# KiCad board rabbit_mask_capacitors_right.kicad_pcb (continued)
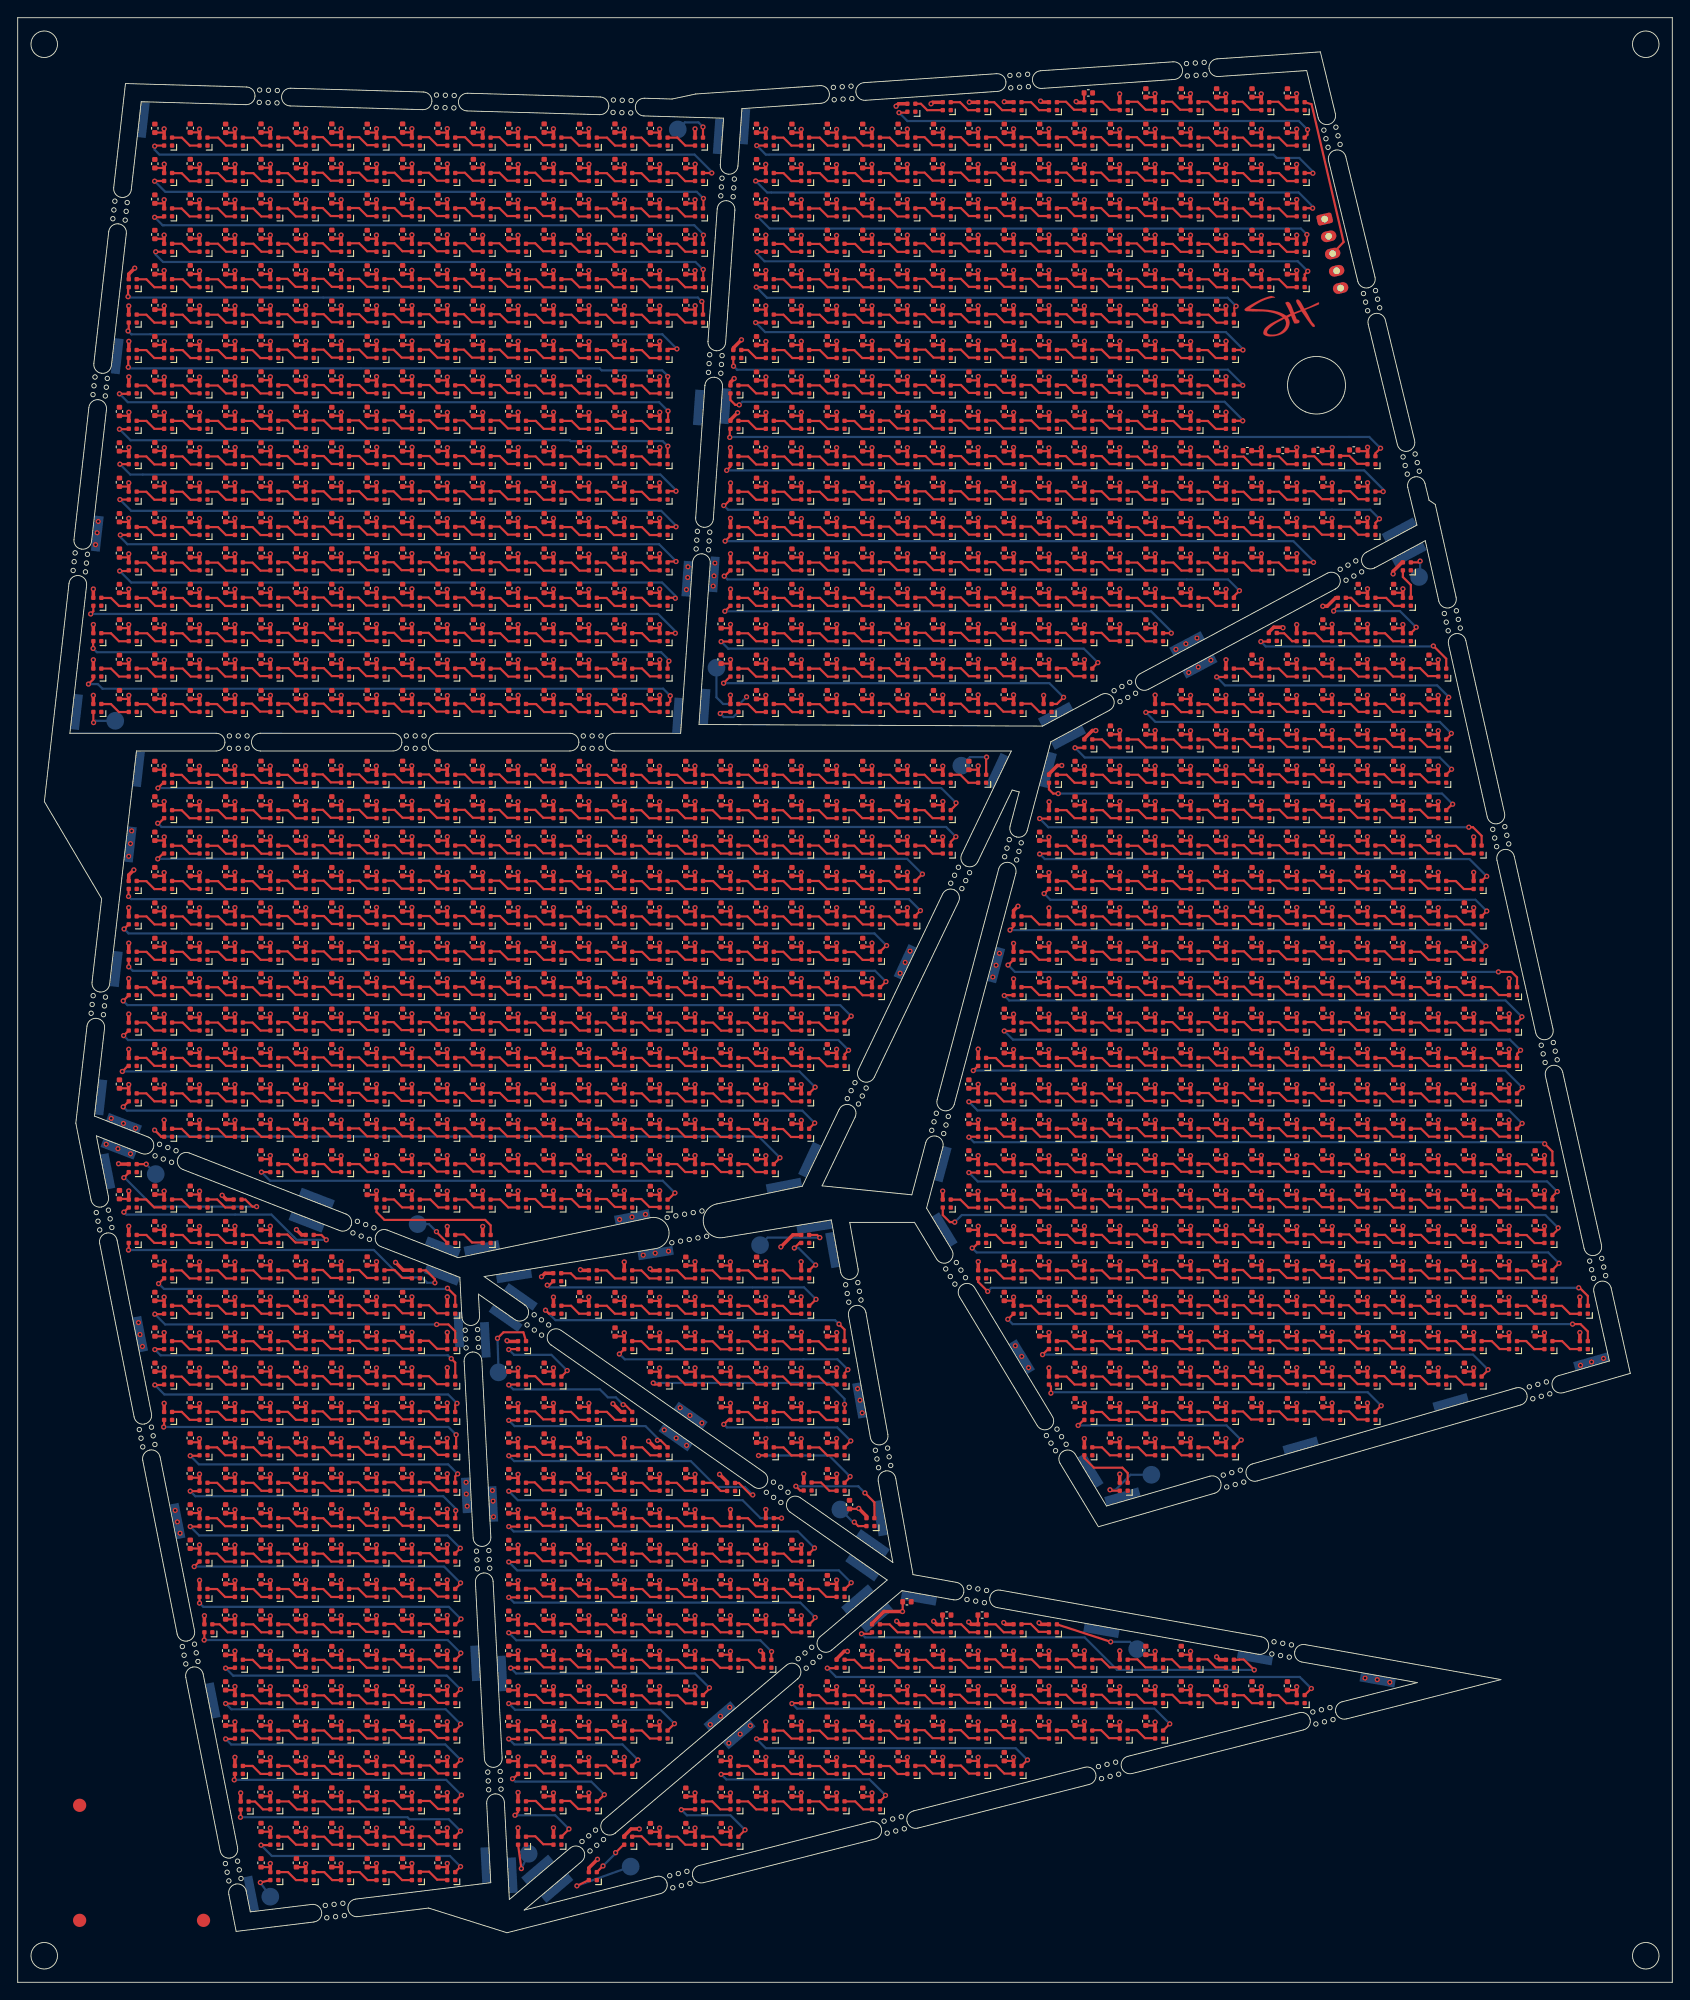
[diagram p0: board, top side]
## Nets (continued)
/right_side/9_IN: D1496.1 J1486.3
/right_side/9_OUT: D1625.3 TP1486.1
/right_side/10_IN: D1512.1 TP1493.1
/right_side/10_OUT: D2031.3 TP1485.1
/right_side/11_IN: D1925.1 TP1494.1
/right_side/11_OUT: D2759.3 TP1492.1
/right_side/12_IN: D2101.1 TP1495.1
/right_side/12_OUT: D2545.3 TP1487.1
/right_side/13_IN: D2547.1 TP1496.1
/right_side/13_OUT: D2776.3 TP1491.1
/right_side/14_IN: D2834.1 TP1499.1
/right_side/14_OUT: D2968.3 TP1490.1
/right_side/15_IN: D2641.1 TP1498.1
/right_side/15_OUT: D2956.3 TP1489.1
/right_side/16_IN: D2475.1 TP1497.1
/right_side/16_OUT: D2962.3 TP1488.1
Net-(D1485-DIN): D1485.1 D1486.3
Net-(D1485-DOUT): D1485.3 D1528.1
Net-(D1486-DIN): D1486.1 D1487.3
Net-(D1487-DIN): D1487.1 D1488.3
Net-(D1488-DIN): D1488.1 D1489.3
Net-(D1489-DIN): D1489.1 D1490.3
Net-(D1490-DIN): D1490.1 D1491.3
Net-(D1491-DIN): D1491.1 D1492.3
Net-(D1492-DIN): D1492.1 D1493.3
Net-(D1493-DIN): D1493.1 D1494.3
Net-(D1494-DIN): D1494.1 D1495.3
Net-(D1495-DIN): D1495.1 D1496.3
Net-(D1497-DIN): D1497.1 D1498.3
Net-(D1497-DOUT): D1497.3 D1544.1
Net-(D1498-DIN): D1498.1 D1499.3
Net-(D1499-DIN): D1499.1 D1500.3
Net-(D1500-DIN): D1500.1 D1501.3
Net-(D1501-DIN): D1501.1 D1502.3
Net-(D1502-DIN): D1502.1 D1503.3
Net-(D1503-DIN): D1503.1 D1504.3
Net-(D1504-DIN): D1504.1 D1505.3
Net-(D1505-DIN): D1505.1 D1506.3
Net-(D1506-DIN): D1506.1 D1507.3
Net-(D1507-DIN): D1507.1 D1508.3
Net-(D1508-DIN): D1508.1 D1509.3
Net-(D1509-DIN): D1509.1 D1510.3
Net-(D1510-DIN): D1510.1 D1511.3
Net-(D1511-DIN): D1511.1 D1512.3
Net-(D1513-DIN): D1513.1 D1514.3
Net-(D1513-DOUT): D1513.3 D1560.1
Net-(D1514-DIN): D1514.1 D1515.3
Net-(D1515-DIN): D1515.1 D1516.3
Net-(D1516-DIN): D1516.1 D1517.3
Net-(D1517-DIN): D1517.1 D1518.3
Net-(D1518-DIN): D1518.1 D1519.3
Net-(D1519-DIN): D1519.1 D1520.3
Net-(D1520-DIN): D1520.1 D1521.3
Net-(D1521-DIN): D1521.1 D1522.3
Net-(D1522-DIN): D1522.1 D1523.3
Net-(D1523-DIN): D1523.1 D1524.3
Net-(D1524-DIN): D1524.1 D1525.3
Net-(D1525-DIN): D1525.1 D1526.3
Net-(D1526-DIN): D1526.1 D1527.3
Net-(D1527-DIN): D1527.1 D1528.3
Net-(D1529-DIN): D1529.1 D1530.3
Net-(D1529-DOUT): D1529.3 D1576.1
Net-(D1530-DIN): D1530.1 D1531.3
Net-(D1531-DIN): D1531.1 D1532.3
Net-(D1532-DIN): D1532.1 D1533.3
Net-(D1533-DIN): D1533.1 D1534.3
Net-(D1534-DIN): D1534.1 D1535.3
Net-(D1535-DIN): D1535.1 D1536.3
Net-(D1536-DIN): D1536.1 D1537.3
Net-(D1537-DIN): D1537.1 D1538.3
Net-(D1538-DIN): D1538.1 D1539.3
Net-(D1539-DIN): D1539.1 D1540.3
Net-(D1540-DIN): D1540.1 D1541.3
Net-(D1541-DIN): D1541.1 D1542.3
Net-(D1542-DIN): D1542.1 D1543.3
Net-(D1543-DIN): D1543.1 D1544.3
Net-(D1545-DIN): D1545.1 D1546.3
Net-(D1545-DOUT): D1545.3 D1592.1
Net-(D1546-DIN): D1546.1 D1547.3
Net-(D1547-DIN): D1547.1 D1548.3
Net-(D1548-DIN): D1548.1 D1549.3
Net-(D1549-DIN): D1549.1 D1550.3
Net-(D1550-DIN): D1550.1 D1551.3
Net-(D1551-DIN): D1551.1 D1552.3
Net-(D1552-DIN): D1552.1 D1553.3
Net-(D1553-DIN): D1553.1 D1554.3
Net-(D1554-DIN): D1554.1 D1555.3
Net-(D1555-DIN): D1555.1 D1556.3
Net-(D1556-DIN): D1556.1 D1557.3
Net-(D1557-DIN): D1557.1 D1558.3
Net-(D1558-DIN): D1558.1 D1559.3
Net-(D1559-DIN): D1559.1 D1560.3
Net-(D1561-DIN): D1561.1 D1562.3
Net-(D1561-DOUT): D1561.3 D1608.1
Net-(D1562-DIN): D1562.1 D1563.3
Net-(D1563-DIN): D1563.1 D1564.3
Net-(D1564-DIN): D1564.1 D1565.3
Net-(D1565-DIN): D1565.1 D1566.3
Net-(D1566-DIN): D1566.1 D1567.3
Net-(D1567-DIN): D1567.1 D1568.3
Net-(D1568-DIN): D1568.1 D1569.3
Net-(D1569-DIN): D1569.1 D1570.3
Net-(D1570-DIN): D1570.1 D1571.3
Net-(D1571-DIN): D1571.1 D1572.3
Net-(D1572-DIN): D1572.1 D1573.3
Net-(D1573-DIN): D1573.1 D1574.3
Net-(D1574-DIN): D1574.1 D1575.3
Net-(D1575-DIN): D1575.1 D1576.3
Net-(D1577-DIN): D1577.1 D1578.3
Net-(D1577-DOUT): D1577.3 D1624.1
Net-(D1578-DIN): D1578.1 D1579.3
Net-(D1579-DIN): D1579.1 D1580.3
Net-(D1580-DIN): D1580.1 D1581.3
Net-(D1581-DIN): D1581.1 D1582.3
Net-(D1582-DIN): D1582.1 D1583.3
Net-(D1583-DIN): D1583.1 D1584.3
Net-(D1584-DIN): D1584.1 D1585.3
Net-(D1585-DIN): D1585.1 D1586.3
Net-(D1586-DIN): D1586.1 D1587.3
Net-(D1587-DIN): D1587.1 D1588.3
Net-(D1588-DIN): D1588.1 D1589.3
Net-(D1589-DIN): D1589.1 D1590.3
Net-(D1590-DIN): D1590.1 D1591.3
Net-(D1591-DIN): D1591.1 D1592.3
Net-(D1593-DIN): D1593.1 D1594.3
Net-(D1593-DOUT): D1593.3 D1642.1
Net-(D1594-DIN): D1594.1 D1595.3
Net-(D1595-DIN): D1595.1 D1596.3
Net-(D1596-DIN): D1596.1 D1597.3
Net-(D1597-DIN): D1597.1 D1598.3
Net-(D1598-DIN): D1598.1 D1599.3
Net-(D1599-DIN): D1599.1 D1600.3
Net-(D1600-DIN): D1600.1 D1601.3
Net-(D1601-DIN): D1601.1 D1602.3
Net-(D1602-DIN): D1602.1 D1603.3
Net-(D1603-DIN): D1603.1 D1604.3
Net-(D1604-DIN): D1604.1 D1605.3
Net-(D1605-DIN): D1605.1 D1606.3
Net-(D1606-DIN): D1606.1 D1607.3
Net-(D1607-DIN): D1607.1 D1608.3
Net-(D1609-DIN): D1609.1 D1610.3
Net-(D1609-DOUT): D1609.3 D1658.1
Net-(D1610-DIN): D1610.1 D1611.3
Net-(D1611-DIN): D1611.1 D1612.3
Net-(D1612-DIN): D1612.1 D1613.3
Net-(D1613-DIN): D1613.1 D1614.3
Net-(D1614-DIN): D1614.1 D1615.3
Net-(D1615-DIN): D1615.1 D1616.3
Net-(D1616-DIN): D1616.1 D1617.3
Net-(D1617-DIN): D1617.1 D1618.3
Net-(D1618-DIN): D1618.1 D1619.3
Net-(D1619-DIN): D1619.1 D1620.3
Net-(D1620-DIN): D1620.1 D1621.3
Net-(D1621-DIN): D1621.1 D1622.3
Net-(D1622-DIN): D1622.1 D1623.3
Net-(D1623-DIN): D1623.1 D1624.3
Net-(D1625-DIN): D1625.1 D2048.3
Net-(D1626-DIN): D1626.1 D1627.3
Net-(D1626-DOUT): D1626.3 D1676.1
Net-(D1627-DIN): D1627.1 D1628.3
Net-(D1628-DIN): D1628.1 D1629.3
Net-(D1629-DIN): D1629.1 D1630.3
Net-(D1630-DIN): D1630.1 D1631.3
Net-(D1631-DIN): D1631.1 D1632.3
Net-(D1632-DIN): D1632.1 D1633.3
Net-(D1633-DIN): D1633.1 D1634.3
Net-(D1634-DIN): D1634.1 D1635.3
Net-(D1635-DIN): D1635.1 D1636.3
Net-(D1636-DIN): D1636.1 D1637.3
Net-(D1637-DIN): D1637.1 D1638.3
Net-(D1638-DIN): D1638.1 D1639.3
Net-(D1639-DIN): D1639.1 D1640.3
Net-(D1640-DIN): D1640.1 D1641.3
Net-(D1641-DIN): D1641.1 D1642.3
Net-(D1643-DIN): D1643.1 D1644.3
Net-(D1643-DOUT): D1643.3 D1690.1
Net-(D1644-DIN): D1644.1 D1645.3
Net-(D1645-DIN): D1645.1 D1646.3
Net-(D1646-DIN): D1646.1 D1647.3
Net-(D1647-DIN): D1647.1 D1648.3
Net-(D1648-DIN): D1648.1 D1649.3
Net-(D1649-DIN): D1649.1 D1650.3
Net-(D1650-DIN): D1650.1 D1651.3
Net-(D1651-DIN): D1651.1 D1652.3
Net-(D1652-DIN): D1652.1 D1653.3
Net-(D1653-DIN): D1653.1 D1654.3
Net-(D1654-DIN): D1654.1 D1655.3
Net-(D1655-DIN): D1655.1 D1656.3
Net-(D1656-DIN): D1656.1 D1657.3
Net-(D1657-DIN): D1657.1 D1658.3
Net-(D1660-DIN): D1660.1 D1661.3
Net-(D1660-DOUT): D1660.3 D1709.1
Net-(D1661-DIN): D1661.1 D1662.3
Net-(D1662-DIN): D1662.1 D1663.3
Net-(D1663-DIN): D1663.1 D1664.3
Net-(D1664-DIN): D1664.1 D1665.3
Net-(D1665-DIN): D1665.1 D1666.3
Net-(D1666-DIN): D1666.1 D1667.3
Net-(D1667-DIN): D1667.1 D1668.3
Net-(D1668-DIN): D1668.1 D1669.3
Net-(D1669-DIN): D1669.1 D1670.3
Net-(D1670-DIN): D1670.1 D1671.3
Net-(D1671-DIN): D1671.1 D1672.3
Net-(D1672-DIN): D1672.1 D1673.3
Net-(D1673-DIN): D1673.1 D1674.3
Net-(D1674-DIN): D1674.1 D1675.3
Net-(D1675-DIN): D1675.1 D1676.3
Net-(D1677-DIN): D1677.1 D1678.3
Net-(D1677-DOUT): D1677.3 D1724.1
Net-(D1678-DIN): D1678.1 D1679.3
Net-(D1679-DIN): D1679.1 D1680.3
Net-(D1680-DIN): D1680.1 D1681.3
Net-(D1681-DIN): D1681.1 D1682.3
Net-(D1682-DIN): D1682.1 D1683.3
Net-(D1683-DIN): D1683.1 D1684.3
Net-(D1684-DIN): D1684.1 D1685.3
Net-(D1685-DIN): D1685.1 D1686.3
Net-(D1686-DIN): D1686.1 D1687.3
Net-(D1687-DIN): D1687.1 D1688.3
Net-(D1688-DIN): D1688.1 D1689.3
Net-(D1689-DIN): D1689.1 D1690.3
Net-(D1694-DIN): D1694.1 D1695.3
Net-(D1694-DOUT): D1694.3 D1740.1
Net-(D1695-DIN): D1695.1 D1696.3
Net-(D1696-DIN): D1696.1 D1697.3
Net-(D1697-DIN): D1697.1 D1698.3
Net-(D1698-DIN): D1698.1 D1699.3
Net-(D1699-DIN): D1699.1 D1700.3
Net-(D1700-DIN): D1700.1 D1701.3
Net-(D1701-DIN): D1701.1 D1702.3
Net-(D1702-DIN): D1702.1 D1703.3
Net-(D1703-DIN): D1703.1 D1704.3
Net-(D1704-DIN): D1704.1 D1705.3
Net-(D1705-DIN): D1705.1 D1706.3
Net-(D1706-DIN): D1706.1 D1707.3
Net-(D1707-DIN): D1707.1 D1708.3
Net-(D1708-DIN): D1708.1 D1709.3
Net-(D1710-DIN): D1710.1 D1711.3
Net-(D1710-DOUT): D1710.3 D1755.1
Net-(D1711-DIN): D1711.1 D1712.3
Net-(D1712-DIN): D1712.1 D1713.3
Net-(D1713-DIN): D1713.1 D1714.3
Net-(D1714-DIN): D1714.1 D1715.3
Net-(D1715-DIN): D1715.1 D1716.3
Net-(D1716-DIN): D1716.1 D1717.3
Net-(D1717-DIN): D1717.1 D1718.3
Net-(D1718-DIN): D1718.1 D1719.3
Net-(D1719-DIN): D1719.1 D1720.3
Net-(D1720-DIN): D1720.1 D1721.3
Net-(D1721-DIN): D1721.1 D1722.3
Net-(D1722-DIN): D1722.1 D1723.3
Net-(D1723-DIN): D1723.1 D1724.3
Net-(D1725-DIN): D1725.1 D1726.3
Net-(D1725-DOUT): D1725.3 D1771.1
Net-(D1726-DIN): D1726.1 D1727.3
Net-(D1727-DIN): D1727.1 D1728.3
Net-(D1728-DIN): D1728.1 D1729.3
Net-(D1729-DIN): D1729.1 D1730.3
Net-(D1730-DIN): D1730.1 D1731.3
Net-(D1731-DIN): D1731.1 D1732.3
Net-(D1732-DIN): D1732.1 D1733.3
Net-(D1733-DIN): D1733.1 D1734.3
Net-(D1734-DIN): D1734.1 D1735.3
Net-(D1735-DIN): D1735.1 D1736.3
Net-(D1736-DIN): D1736.1 D1737.3
Net-(D1737-DIN): D1737.1 D1738.3
Net-(D1738-DIN): D1738.1 D1739.3
Net-(D1739-DIN): D1739.1 D1740.3
Net-(D1741-DIN): D1741.1 D1742.3
Net-(D1741-DOUT): D1741.3 D1786.1
Net-(D1742-DIN): D1742.1 D1743.3
Net-(D1743-DIN): D1743.1 D1744.3
Net-(D1744-DIN): D1744.1 D1745.3
Net-(D1745-DIN): D1745.1 D1746.3
Net-(D1746-DIN): D1746.1 D1747.3
Net-(D1747-DIN): D1747.1 D1748.3
Net-(D1748-DIN): D1748.1 D1749.3
Net-(D1749-DIN): D1749.1 D1750.3
Net-(D1750-DIN): D1750.1 D1751.3
Net-(D1751-DIN): D1751.1 D1752.3
Net-(D1752-DIN): D1752.1 D1753.3
Net-(D1753-DIN): D1753.1 D1754.3
Net-(D1754-DIN): D1754.1 D1755.3
Net-(D1756-DIN): D1756.1 D1757.3
Net-(D1756-DOUT): D1756.3 D1802.1
Net-(D1757-DIN): D1757.1 D1758.3
Net-(D1758-DIN): D1758.1 D1759.3
Net-(D1759-DIN): D1759.1 D1760.3
Net-(D1760-DIN): D1760.1 D1761.3
Net-(D1761-DIN): D1761.1 D1762.3
Net-(D1762-DIN): D1762.1 D1763.3
Net-(D1763-DIN): D1763.1 D1764.3
Net-(D1764-DIN): D1764.1 D1765.3
Net-(D1765-DIN): D1765.1 D1766.3
Net-(D1766-DIN): D1766.1 D1767.3
Net-(D1767-DIN): D1767.1 D1768.3
Net-(D1768-DIN): D1768.1 D1769.3
Net-(D1769-DIN): D1769.1 D1770.3
Net-(D1770-DIN): D1770.1 D1771.3
Net-(D1772-DIN): D1772.1 D1773.3
Net-(D1772-DOUT): D1772.3 D1821.1
Net-(D1773-DIN): D1773.1 D1774.3
Net-(D1774-DIN): D1774.1 D1775.3
Net-(D1775-DIN): D1775.1 D1776.3
Net-(D1776-DIN): D1776.1 D1777.3
Net-(D1777-DIN): D1777.1 D1778.3
Net-(D1778-DIN): D1778.1 D1779.3
Net-(D1779-DIN): D1779.1 D1780.3
Net-(D1780-DIN): D1780.1 D1781.3
Net-(D1781-DIN): D1781.1 D1782.3
Net-(D1782-DIN): D1782.1 D1783.3
Net-(D1783-DIN): D1783.1 D1784.3
Net-(D1784-DIN): D1784.1 D1785.3
Net-(D1785-DIN): D1785.1 D1786.3
Net-(D1787-DIN): D1787.1 D1788.3
Net-(D1787-DOUT): D1787.3 D1837.1
Net-(D1788-DIN): D1788.1 D1789.3
Net-(D1789-DIN): D1789.1 D1790.3
Net-(D1790-DIN): D1790.1 D1791.3
Net-(D1791-DIN): D1791.1 D1792.3
Net-(D1792-DIN): D1792.1 D1793.3
Net-(D1793-DIN): D1793.1 D1794.3
Net-(D1794-DIN): D1794.1 D1795.3
Net-(D1795-DIN): D1795.1 D1796.3
Net-(D1796-DIN): D1796.1 D1797.3
Net-(D1797-DIN): D1797.1 D1798.3
Net-(D1798-DIN): D1798.1 D1799.3
Net-(D1799-DIN): D1799.1 D1800.3
Net-(D1800-DIN): D1800.1 D1801.3
Net-(D1801-DIN): D1801.1 D1802.3
Net-(D1803-DIN): D1803.1 D1804.3
Net-(D1803-DOUT): D1803.3 D1856.1
Net-(D1804-DIN): D1804.1 D1805.3
Net-(D1805-DIN): D1805.1 D1806.3
Net-(D1806-DIN): D1806.1 D1807.3
Net-(D1807-DIN): D1807.1 D1808.3
Net-(D1808-DIN): D1808.1 D1809.3
Net-(D1809-DIN): D1809.1 D1810.3
Net-(D1810-DIN): D1810.1 D1811.3
Net-(D1811-DIN): D1811.1 D1812.3
Net-(D1812-DIN): D1812.1 D1813.3
Net-(D1813-DIN): D1813.1 D1814.3
Net-(D1814-DIN): D1814.1 D1815.3
Net-(D1815-DIN): D1815.1 D1816.3
Net-(D1816-DIN): D1816.1 D1817.3
Net-(D1817-DIN): D1817.1 D1818.3
Net-(D1818-DIN): D1818.1 D1819.3
Net-(D1819-DIN): D1819.1 D1820.3
Net-(D1820-DIN): D1820.1 D1821.3
Net-(D1822-DIN): D1822.1 D1823.3
Net-(D1822-DOUT): D1822.3 D1872.1
Net-(D1823-DIN): D1823.1 D1824.3
Net-(D1824-DIN): D1824.1 D1825.3
Net-(D1825-DIN): D1825.1 D1826.3
Net-(D1826-DIN): D1826.1 D1827.3
Net-(D1827-DIN): D1827.1 D1828.3
Net-(D1828-DIN): D1828.1 D1829.3
Net-(D1829-DIN): D1829.1 D1830.3
Net-(D1830-DIN): D1830.1 D1831.3
Net-(D1831-DIN): D1831.1 D1832.3
Net-(D1832-DIN): D1832.1 D1833.3
Net-(D1833-DIN): D1833.1 D1834.3
Net-(D1834-DIN): D1834.1 D1835.3
Net-(D1835-DIN): D1835.1 D1836.3
Net-(D1836-DIN): D1836.1 D1837.3
Net-(D1838-DIN): D1838.1 D1839.3
Net-(D1838-DOUT): D1838.3 D1891.1
Net-(D1839-DIN): D1839.1 D1840.3
Net-(D1840-DIN): D1840.1 D1841.3
Net-(D1841-DIN): D1841.1 D1842.3
Net-(D1842-DIN): D1842.1 D1843.3
Net-(D1843-DIN): D1843.1 D1844.3
Net-(D1844-DIN): D1844.1 D1845.3
Net-(D1845-DIN): D1845.1 D1846.3
Net-(D1846-DIN): D1846.1 D1847.3
Net-(D1847-DIN): D1847.1 D1848.3
Net-(D1848-DIN): D1848.1 D1849.3
Net-(D1849-DIN): D1849.1 D1850.3
Net-(D1850-DIN): D1850.1 D1851.3
Net-(D1851-DIN): D1851.1 D1852.3
Net-(D1852-DIN): D1852.1 D1853.3
Net-(D1853-DIN): D1853.1 D1854.3
Net-(D1854-DIN): D1854.1 D1855.3
Net-(D1855-DIN): D1855.1 D1856.3
Net-(D1857-DIN): D1857.1 D1858.3
Net-(D1857-DOUT): D1857.3 D1907.1
Net-(D1858-DIN): D1858.1 D1859.3
Net-(D1859-DIN): D1859.1 D1860.3
Net-(D1860-DIN): D1860.1 D1861.3
Net-(D1861-DIN): D1861.1 D1862.3
Net-(D1862-DIN): D1862.1 D1863.3
Net-(D1863-DIN): D1863.1 D1864.3
Net-(D1864-DIN): D1864.1 D1865.3
Net-(D1865-DIN): D1865.1 D1866.3
Net-(D1866-DIN): D1866.1 D1867.3
Net-(D1867-DIN): D1867.1 D1868.3
Net-(D1868-DIN): D1868.1 D1869.3
Net-(D1869-DIN): D1869.1 D1870.3
Net-(D1870-DIN): D1870.1 D1871.3
Net-(D1871-DIN): D1871.1 D1872.3
Net-(D1873-DIN): D1873.1 D1874.3
Net-(D1873-DOUT): D1873.3 D1924.1
Net-(D1874-DIN): D1874.1 D1875.3
Net-(D1875-DIN): D1875.1 D1876.3
Net-(D1876-DIN): D1876.1 D1877.3
Net-(D1877-DIN): D1877.1 D1878.3
Net-(D1878-DIN): D1878.1 D1879.3
Net-(D1879-DIN): D1879.1 D1880.3
Net-(D1880-DIN): D1880.1 D1881.3
Net-(D1881-DIN): D1881.1 D1882.3
Net-(D1882-DIN): D1882.1 D1883.3
Net-(D1883-DIN): D1883.1 D1884.3
Net-(D1884-DIN): D1884.1 D1885.3
Net-(D1885-DIN): D1885.1 D1886.3
Net-(D1886-DIN): D1886.1 D1887.3
Net-(D1887-DIN): D1887.1 D1888.3
Net-(D1888-DIN): D1888.1 D1889.3
Net-(D1889-DIN): D1889.1 D1890.3
Net-(D1890-DIN): D1890.1 D1891.3
Net-(D1892-DIN): D1892.1 D1893.3
Net-(D1892-DOUT): D1892.3 D1942.1
Net-(D1893-DIN): D1893.1 D1894.3
Net-(D1894-DIN): D1894.1 D1895.3
Net-(D1895-DIN): D1895.1 D1896.3
Net-(D1896-DIN): D1896.1 D1897.3
Net-(D1897-DIN): D1897.1 D1898.3
Net-(D1898-DIN): D1898.1 D1899.3
Net-(D1899-DIN): D1899.1 D1900.3
Net-(D1900-DIN): D1900.1 D1901.3
Net-(D1901-DIN): D1901.1 D1902.3
Net-(D1902-DIN): D1902.1 D1903.3
Net-(D1903-DIN): D1903.1 D1904.3
Net-(D1904-DIN): D1904.1 D1905.3
Net-(D1905-DIN): D1905.1 D1906.3
Net-(D1906-DIN): D1906.1 D1907.3
Net-(D1908-DIN): D1908.1 D1909.3
Net-(D1908-DOUT): D1908.3 D1957.1
Net-(D1909-DIN): D1909.1 D1910.3
Net-(D1910-DIN): D1910.1 D1911.3
Net-(D1911-DIN): D1911.1 D1912.3
Net-(D1912-DIN): D1912.1 D1913.3
Net-(D1913-DIN): D1913.1 D1914.3
Net-(D1914-DIN): D1914.1 D1915.3
Net-(D1915-DIN): D1915.1 D1916.3
Net-(D1916-DIN): D1916.1 D1917.3
Net-(D1917-DIN): D1917.1 D1918.3
Net-(D1918-DIN): D1918.1 D1919.3
Net-(D1919-DIN): D1919.1 D1920.3
Net-(D1920-DIN): D1920.1 D1921.3
Net-(D1921-DIN): D1921.1 D1922.3
Net-(D1922-DIN): D1922.1 D1923.3
Net-(D1923-DIN): D1923.1 D1924.3
Net-(D1925-DOUT): D1925.3 D1960.1
Net-(D1926-DIN): D1926.1 D1927.3
Net-(D1926-DOUT): D1926.3 D1977.1
Net-(D1927-DIN): D1927.1 D1928.3
Net-(D1928-DIN): D1928.1 D1929.3
Net-(D1929-DIN): D1929.1 D1930.3
Net-(D1930-DIN): D1930.1 D1931.3
Net-(D1931-DIN): D1931.1 D1932.3
Net-(D1932-DIN): D1932.1 D1933.3
Net-(D1933-DIN): D1933.1 D1934.3
Net-(D1934-DIN): D1934.1 D1935.3
Net-(D1935-DIN): D1935.1 D1936.3
Net-(D1936-DIN): D1936.1 D1937.3
Net-(D1937-DIN): D1937.1 D1938.3
Net-(D1938-DIN): D1938.1 D1939.3
Net-(D1939-DIN): D1939.1 D1940.3
Net-(D1940-DIN): D1940.1 D1941.3
Net-(D1941-DIN): D1941.1 D1942.3
Net-(D1943-DIN): D1943.1 D1944.3
Net-(D1943-DOUT): D1943.3 D1990.1
Net-(D1944-DIN): D1944.1 D1945.3
Net-(D1945-DIN): D1945.1 D1946.3
Net-(D1946-DIN): D1946.1 D1947.3
Net-(D1947-DIN): D1947.1 D1948.3
Net-(D1948-DIN): D1948.1 D1949.3
Net-(D1949-DIN): D1949.1 D1950.3
Net-(D1950-DIN): D1950.1 D1951.3
Net-(D1951-DIN): D1951.1 D1952.3
Net-(D1952-DIN): D1952.1 D1953.3
Net-(D1953-DIN): D1953.1 D1954.3
Net-(D1954-DIN): D1954.1 D1955.3
Net-(D1955-DIN): D1955.1 D1956.3
Net-(D1956-DIN): D1956.1 D1957.3
Net-(D1958-DIN): D1958.1 D1959.3
Net-(D1958-DOUT): D1958.3 D1995.1
Net-(D1959-DIN): D1959.1 D1960.3
Net-(D1961-DIN): D1961.1 D1962.3
Net-(D1961-DOUT): D1961.3 D2012.1
Net-(D1962-DIN): D1962.1 D1963.3
Net-(D1963-DIN): D1963.1 D1964.3
Net-(D1964-DIN): D1964.1 D1965.3
Net-(D1965-DIN): D1965.1 D1966.3
Net-(D1966-DIN): D1966.1 D1967.3
Net-(D1967-DIN): D1967.1 D1968.3
Net-(D1968-DIN): D1968.1 D1969.3
Net-(D1969-DIN): D1969.1 D1970.3
Net-(D1970-DIN): D1970.1 D1971.3
Net-(D1971-DIN): D1971.1 D1972.3
Net-(D1972-DIN): D1972.1 D1973.3
Net-(D1973-DIN): D1973.1 D1974.3
Net-(D1974-DIN): D1974.1 D1975.3
Net-(D1975-DIN): D1975.1 D1976.3
Net-(D1976-DIN): D1976.1 D1977.3
Net-(D1978-DIN): D1978.1 D1979.3
Net-(D1978-DOUT): D1978.3 D2023.1
Net-(D1979-DIN): D1979.1 D1980.3
Net-(D1980-DIN): D1980.1 D1981.3
Net-(D1981-DIN): D1981.1 D1982.3
Net-(D1982-DIN): D1982.1 D1983.3
Net-(D1983-DIN): D1983.1 D1984.3
Net-(D1984-DIN): D1984.1 D1985.3
Net-(D1985-DIN): D1985.1 D1986.3
Net-(D1986-DIN): D1986.1 D1987.3
Net-(D1987-DIN): D1987.1 D1988.3
Net-(D1988-DIN): D1988.1 D1989.3
Net-(D1989-DIN): D1989.1 D1990.3
Net-(D1991-DIN): D1991.1 D1992.3
Net-(D1991-DOUT): D1991.3 D2030.1
Net-(D1992-DIN): D1992.1 D1993.3
Net-(D1993-DIN): D1993.1 D1994.3
Net-(D1994-DIN): D1994.1 D1995.3
Net-(D1996-DIN): D1996.1 D1997.3
Net-(D1996-DOUT): D1996.3 D2047.1
Net-(D1997-DIN): D1997.1 D1998.3
Net-(D1998-DIN): D1998.1 D1999.3
Net-(D1999-DIN): D1999.1 D2000.3
Net-(D2000-DIN): D2000.1 D2001.3
Net-(D2001-DIN): D2001.1 D2002.3
Net-(D2002-DIN): D2002.1 D2003.3
Net-(D2003-DIN): D2003.1 D2004.3
Net-(D2004-DIN): D2004.1 D2005.3
Net-(D2005-DIN): D2005.1 D2006.3
Net-(D2006-DIN): D2006.1 D2007.3
Net-(D2007-DIN): D2007.1 D2008.3
Net-(D2008-DIN): D2008.1 D2009.3
Net-(D2009-DIN): D2009.1 D2010.3
Net-(D2010-DIN): D2010.1 D2011.3
Net-(D2011-DIN): D2011.1 D2012.3
Net-(D2013-DIN): D2013.1 D2014.3
Net-(D2013-DOUT): D2013.3 D2057.1
Net-(D2014-DIN): D2014.1 D2015.3
Net-(D2015-DIN): D2015.1 D2016.3
Net-(D2016-DIN): D2016.1 D2017.3
Net-(D2017-DIN): D2017.1 D2018.3
Net-(D2018-DIN): D2018.1 D2019.3
Net-(D2019-DIN): D2019.1 D2020.3
Net-(D2020-DIN): D2020.1 D2021.3
Net-(D2021-DIN): D2021.1 D2022.3
Net-(D2022-DIN): D2022.1 D2023.3
Net-(D2024-DIN): D2024.1 D2025.3
Net-(D2024-DOUT): D2024.3 D2066.1
Net-(D2025-DIN): D2025.1 D2026.3
Net-(D2026-DIN): D2026.1 D2027.3
Net-(D2027-DIN): D2027.1 D2028.3
Net-(D2028-DIN): D2028.1 D2029.3
Net-(D2029-DIN): D2029.1 D2030.3
Net-(D2031-DIN): D2031.1 D2032.3
Net-(D2032-DIN): D2032.1 D2033.3
Net-(D2033-DIN): D2033.1 D2034.3
Net-(D2034-DIN): D2034.1 D2035.3
Net-(D2035-DIN): D2035.1 D2036.3
Net-(D2036-DIN): D2036.1 D2037.3
Net-(D2037-DIN): D2037.1 D2038.3
Net-(D2038-DIN): D2038.1 D2039.3
Net-(D2039-DIN): D2039.1 D2040.3
Net-(D2040-DIN): D2040.1 D2041.3
Net-(D2041-DIN): D2041.1 D2042.3
Net-(D2042-DIN): D2042.1 D2043.3
Net-(D2043-DIN): D2043.1 D2044.3
Net-(D2044-DIN): D2044.1 D2045.3
Net-(D2045-DIN): D2045.1 D2046.3
Net-(D2046-DIN): D2046.1 D2047.3
Net-(D2048-DIN): D2048.1 D2049.3
Net-(D2049-DIN): D2049.1 D2050.3
Net-(D2050-DIN): D2050.1 D2051.3
Net-(D2051-DIN): D2051.1 D2052.3
Net-(D2052-DIN): D2052.1 D2053.3
Net-(D2053-DIN): D2053.1 D2054.3
Net-(D2054-DIN): D2054.1 D2055.3
Net-(D2055-DIN): D2055.1 D2056.3
Net-(D2056-DIN): D2056.1 D2057.3
Net-(D2058-DIN): D2058.1 D2059.3
Net-(D2058-DOUT): D2058.3 D2077.1
Net-(D2059-DIN): D2059.1 D2060.3
Net-(D2060-DIN): D2060.1 D2061.3
Net-(D2061-DIN): D2061.1 D2062.3
Net-(D2062-DIN): D2062.1 D2063.3
Net-(D2063-DIN): D2063.1 D2064.3
Net-(D2064-DIN): D2064.1 D2065.3
Net-(D2065-DIN): D2065.1 D2066.3
Net-(D2067-DIN): D2067.1 D2068.3
Net-(D2067-DOUT): D2067.3 D2113.1
Net-(D2068-DIN): D2068.1 D2069.3
Net-(D2069-DIN): D2069.1 D2070.3
Net-(D2070-DIN): D2070.1 D2071.3
Net-(D2071-DIN): D2071.1 D2072.3
Net-(D2072-DIN): D2072.1 D2073.3
Net-(D2073-DIN): D2073.1 D2074.3
Net-(D2074-DIN): D2074.1 D2075.3
Net-(D2075-DIN): D2075.1 D2076.3
Net-(D2076-DIN): D2076.1 D2077.3
Net-(D2078-DIN): D2078.1 D2079.3
Net-(D2078-DOUT): D2078.3 D2136.1
Net-(D2079-DIN): D2079.1 D2080.3
Net-(D2080-DIN): D2080.1 D2081.3
Net-(D2081-DIN): D2081.1 D2082.3
Net-(D2082-DIN): D2082.1 D2083.3
Net-(D2083-DIN): D2083.1 D2084.3
Net-(D2084-DIN): D2084.1 D2085.3
Net-(D2085-DIN): D2085.1 D2086.3
Net-(D2086-DIN): D2086.1 D2087.3
Net-(D2087-DIN): D2087.1 D2088.3
Net-(D2088-DIN): D2088.1 D2089.3
Net-(D2089-DIN): D2089.1 D2090.3
Net-(D2090-DIN): D2090.1 D2091.3
Net-(D2091-DIN): D2091.1 D2092.3
Net-(D2092-DIN): D2092.1 D2093.3
Net-(D2093-DIN): D2093.1 D2094.3
Net-(D2094-DIN): D2094.1 D2095.3
Net-(D2095-DIN): D2095.1 D2096.3
Net-(D2096-DIN): D2096.1 D2097.3
